# Altium PCB HSADDAModule.PcbDoc (part 3 of 5)
Units mm, origin at the board's own origin, x right, y up, seen from the top; angles counter-clockwise.
Board outline 70 x 95 mm, 6 copper layers (L1 (Sig), L2 (GND), L3 (Sig), L4 (GND), L5 (PWR), L6 (Sig)), stack 1.538 mm thick; 134 components, 217 nets, 999 pads, 792 vias.
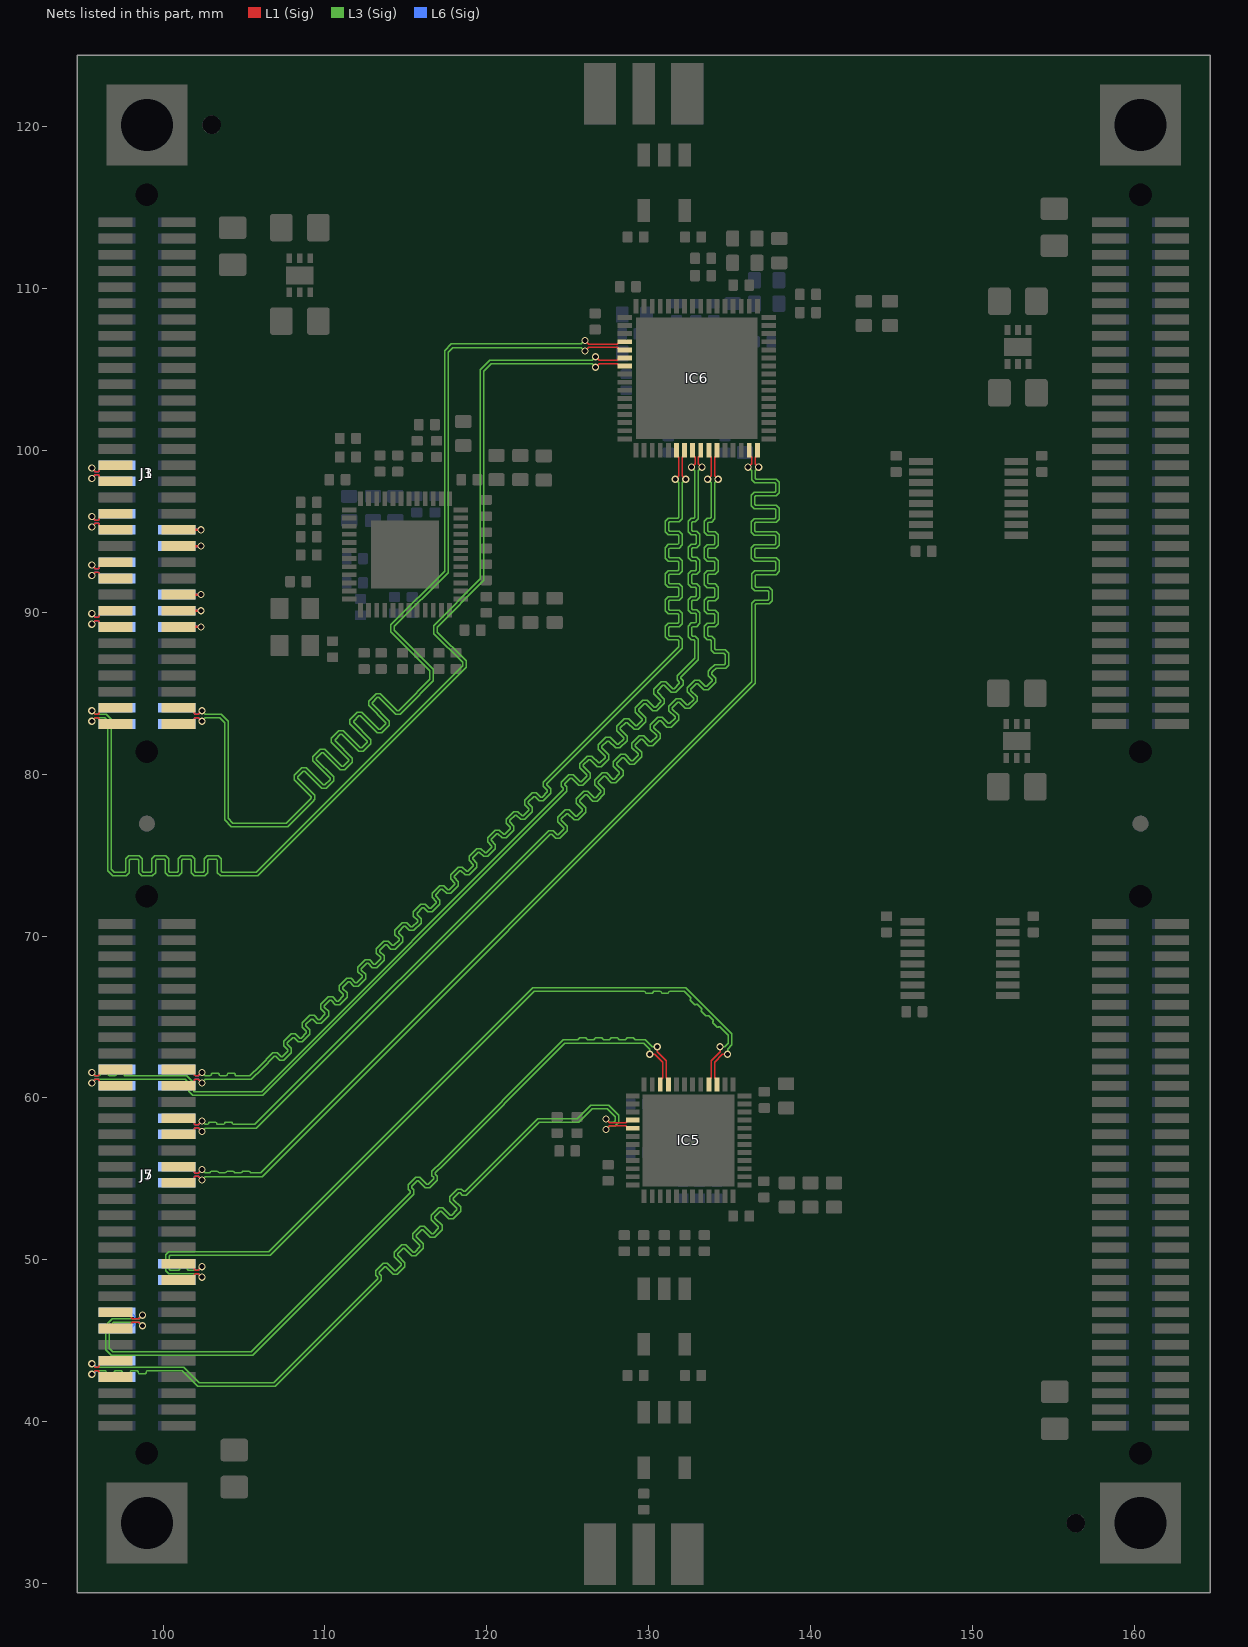
[diagram p7: the nets of this part, all layers, seen from the top]

## Via types
v1: diameter 0.45, hole 0.3, L1 (Sig) to L6 (Sig), tented both sides, 395 vias
v2: diameter 0.5, hole 0.3, L1 (Sig) to L6 (Sig), tented both sides, 219 vias
v3: diameter 0.8, hole 0.4, L1 (Sig) to L6 (Sig), tented both sides, 178 vias

## Nets (pads, with @x,y where several pads share a name; then routed paths per layer and width w, separated by ;. In a path a pad name is that pad's centre, name@x,y a point inside that pad or via, vN(x,y) a via of type N, cw(c..) or ccw(c..) an arc to the next point about the centre after c; other vN are vias at no path point) (continued)
B34_IO_L17_N: IC6.23 J5.21 J7.21 | length 77.9
  L1 (Sig) w0.09: J7.21@100.95,60.75 101.687,60.75 101.942,61.005 101.942,61.092 101.995,61.145 102.18,61.145 v1(102.4,60.925) ; IC6.23@132.225,100.025 132.225,99.725 132.08,99.58 132.08,99.143 132.08,98.445 v1(132.3,98.225)
  L3 (Sig) w0.09: v1(102.4,60.925) 102.405,60.925 102.62,61.14 105.44,61.14 106.115,61.815 106.874,62.574 106.957,62.574 107.205,62.326 107.471,62.326 107.933,62.789 107.933,63.054 107.675,63.312 107.675,63.396 108.009,63.729 108.093,63.729 108.35,63.472 108.616,63.472 109.079,63.934 109.079,64.2 108.821,64.458 108.821,64.541 109.155,64.875 109.238,64.875 109.496,64.617 109.762,64.617 110.224,65.08 110.224,65.345 109.966,65.603 109.966,65.687 110.3,66.02 110.384,66.02 110.641,65.763 110.907,65.763 111.37,66.225 111.37,66.491 111.112,66.749 111.112,66.832 111.446,67.166 111.529,67.166 111.787,66.908 112.053,66.908 112.515,67.371 112.515,67.636 112.257,67.894 112.257,67.978 112.591,68.311 112.675,68.311 112.932,68.054 113.198,68.054 113.661,68.516 113.661,68.782 113.403,69.04 113.403,69.123 113.737,69.457 113.82,69.457 114.078,69.199 114.344,69.199 114.806,69.662 114.806,69.927 114.548,70.185 114.548,70.269 114.882,70.602 114.966,70.602 115.223,70.345 115.489,70.345 115.952,70.807 115.952,71.073 115.694,71.331 115.694,71.414 116.028,71.748 116.111,71.748 116.369,71.49 116.635,71.49 117.097,71.953 117.097,72.218 116.839,72.476 116.839,72.56 117.173,72.893 117.257,72.893 117.514,72.636 117.78,72.636 118.243,73.098 118.243,73.364 117.985,73.622 117.985,73.705 118.319,74.039 118.402,74.039 118.66,73.781 118.926,73.781 119.388,74.244 119.388,74.509 119.13,74.767 119.13,74.851 119.464,75.184 119.548,75.184 119.805,74.927 120.071,74.927 120.534,75.389 120.534,75.655 120.276,75.913 120.276,75.996 120.61,76.33 120.693,76.33 120.951,76.072 121.217,76.072 121.679,76.535 121.679,76.8 121.421,77.058 121.421,77.142 121.755,77.475 121.839,77.475 122.096,77.218 122.362,77.218 122.825,77.68 122.825,77.946 122.567,78.204 122.567,78.287 122.901,78.621 122.984,78.621 123.242,78.363 123.508,78.363 123.97,78.826 123.97,79.091 123.723,79.339 123.723,79.423 123.8,79.5 132.085,87.785 132.085,87.987 132.085,88.34 131.897,88.528 131.296,88.528 131.237,88.587 131.237,89.059 131.296,89.118 131.899,89.118 132.087,89.306 132.087,89.96 131.899,90.148 131.296,90.148 131.237,90.207 131.237,90.679 131.296,90.738 131.899,90.738 132.087,90.926 132.087,91.58 131.899,91.768 131.296,91.768 131.237,91.827 131.237,92.299 131.296,92.358 131.899,92.358 132.087,92.546 132.087,93.2 131.899,93.388 131.296,93.388 131.237,93.447 131.237,93.919 131.296,93.978 131.899,93.978 132.087,94.166 132.087,94.82 131.899,95.008 131.296,95.008 131.237,95.067 131.237,95.539 131.296,95.598 131.897,95.598 132.085,95.786 132.085,96.796 132.085,98.005 132.3,98.22 v1(132.3,98.225)
  L6 (Sig) w0.09: J5.21@100.85,60.75 101.687,60.75 101.942,61.005 101.942,61.092 101.995,61.145 102.18,61.145 v1(102.4,60.925)
B34_IO_L17_P: IC6.22 J5.19 J7.19 | length 77.9
  L1 (Sig) w0.09: J7.19@100.95,61.75 101.687,61.75 101.942,61.495 101.942,61.408 101.995,61.355 102.18,61.355 v1(102.4,61.575) ; v1(131.65,98.225) 131.87,98.445 131.87,99.23 131.87,99.58 131.725,99.725 IC6.22@131.725,100.025
  L3 (Sig) w0.09: v1(102.4,61.575) 102.405,61.575 102.62,61.36 102.883,61.36 102.928,61.36 102.981,61.413 102.981,61.462 103.03,61.511 103.422,61.511 103.471,61.462 103.471,61.409 103.52,61.36 103.912,61.36 103.961,61.409 103.961,61.462 104.01,61.511 104.402,61.511 104.451,61.462 104.451,61.413 104.503,61.36 105.263,61.36 105.349,61.36 105.96,61.971 106.783,62.794 107.048,62.794 107.296,62.546 107.379,62.546 107.713,62.88 107.713,62.963 107.455,63.221 107.455,63.487 107.918,63.949 108.184,63.949 108.442,63.692 108.525,63.692 108.859,64.025 108.859,64.109 108.601,64.367 108.601,64.632 109.064,65.095 109.329,65.095 109.587,64.837 109.67,64.837 110.004,65.171 110.004,65.254 109.746,65.512 109.746,65.778 110.209,66.24 110.475,66.24 110.733,65.983 110.816,65.983 111.15,66.316 111.15,66.4 110.892,66.658 110.892,66.923 111.355,67.386 111.62,67.386 111.878,67.128 111.961,67.128 112.295,67.462 112.295,67.545 112.037,67.803 112.037,68.069 112.5,68.531 112.766,68.531 113.024,68.274 113.107,68.274 113.441,68.607 113.441,68.691 113.183,68.949 113.183,69.214 113.646,69.677 113.911,69.677 114.169,69.419 114.252,69.419 114.586,69.753 114.586,69.836 114.328,70.094 114.328,70.36 114.791,70.822 115.057,70.822 115.315,70.565 115.398,70.565 115.732,70.898 115.732,70.982 115.474,71.24 115.474,71.505 115.937,71.968 116.202,71.968 116.46,71.71 116.544,71.71 116.877,72.044 116.877,72.127 116.619,72.385 116.619,72.651 117.082,73.113 117.348,73.113 117.606,72.856 117.689,72.856 118.023,73.189 118.023,73.273 117.765,73.531 117.765,73.796 118.228,74.259 118.493,74.259 118.751,74.001 118.835,74.001 119.168,74.335 119.168,74.418 118.91,74.676 118.91,74.942 119.373,75.404 119.639,75.404 119.897,75.147 119.98,75.147 120.314,75.48 120.314,75.564 120.056,75.822 120.056,76.087 120.519,76.55 120.784,76.55 121.042,76.292 121.126,76.292 121.459,76.626 121.459,76.709 121.201,76.967 121.201,77.233 121.664,77.695 121.93,77.695 122.188,77.438 122.271,77.438 122.605,77.771 122.605,77.855 122.347,78.113 122.347,78.378 122.81,78.841 123.075,78.841 123.333,78.583 123.417,78.583 123.75,78.917 123.75,79 123.503,79.248 123.503,79.514 123.644,79.656 131.865,87.876 131.865,87.987 131.865,88.249 131.806,88.308 131.205,88.308 131.017,88.496 131.017,89.15 131.205,89.338 131.808,89.338 131.867,89.397 131.867,89.869 131.808,89.928 131.205,89.928 131.017,90.116 131.017,90.77 131.205,90.958 131.808,90.958 131.867,91.017 131.867,91.489 131.808,91.548 131.205,91.548 131.017,91.736 131.017,92.39 131.205,92.578 131.808,92.578 131.867,92.637 131.867,93.109 131.808,93.168 131.205,93.168 131.017,93.356 131.017,94.01 131.205,94.198 131.808,94.198 131.867,94.257 131.867,94.729 131.808,94.788 131.205,94.788 131.017,94.976 131.017,95.63 131.205,95.818 131.806,95.818 131.865,95.877 131.865,96.796 131.865,98.005 131.65,98.22 v1(131.65,98.225)
  L6 (Sig) w0.09: J5.19@100.85,61.75 101.687,61.75 101.942,61.495 101.942,61.408 101.995,61.355 102.18,61.355 v1(102.4,61.575)
B34_IO_L18_N: IC6.27 J5.27 J7.27 | length 77.9
  L1 (Sig) w0.09: J7.27@100.95,57.75 101.687,57.75 101.942,58.005 101.942,58.092 101.995,58.145 102.18,58.145 v1(102.4,57.925) ; IC6.27@134.225,100.025 134.225,99.725 134.08,99.58 134.08,99.143 134.08,98.445 v1(134.3,98.225)
  L3 (Sig) w0.09: v1(102.4,57.925) 102.405,57.925 102.62,58.14 105.765,58.14 123.711,76.086 123.922,76.297 124.005,76.297 124.258,76.044 124.523,76.044 124.986,76.507 124.986,76.773 124.603,77.155 124.603,77.239 124.937,77.572 125.021,77.572 125.403,77.19 125.669,77.19 126.131,77.653 126.131,77.918 125.749,78.301 125.749,78.384 126.083,78.718 126.166,78.718 126.549,78.335 126.814,78.335 127.277,78.798 127.277,79.064 126.895,79.446 126.895,79.53 127.228,79.863 127.312,79.863 127.694,79.481 127.96,79.481 128.422,79.944 128.422,80.209 128.04,80.592 128.04,80.675 128.374,81.009 128.457,81.009 128.84,80.626 129.105,80.626 129.568,81.089 129.568,81.355 129.186,81.737 129.186,81.821 129.519,82.154 129.603,82.154 129.985,81.772 130.251,81.772 130.713,82.235 130.713,82.5 130.331,82.883 130.331,82.966 130.665,83.3 130.748,83.3 131.131,82.917 131.396,82.917 131.859,83.38 131.859,83.646 131.477,84.028 131.477,84.112 131.81,84.445 131.894,84.445 132.276,84.063 132.542,84.063 133.004,84.526 133.004,84.791 132.622,85.174 132.622,85.257 132.956,85.591 133.039,85.591 133.422,85.209 133.687,85.209 134.15,85.671 134.15,85.937 133.898,86.189 133.898,86.273 133.975,86.35 134.18,86.555 134.768,86.555 134.95,86.737 134.95,87.475 134.725,87.7 134.138,87.7 134.085,87.753 134.085,88.068 134.085,88.328 133.897,88.516 133.73,88.516 133.671,88.575 133.671,89.047 133.73,89.106 134.109,89.106 134.297,89.293 134.297,89.948 134.109,90.136 133.73,90.136 133.671,90.195 133.671,90.667 133.73,90.726 134.109,90.726 134.297,90.913 134.297,91.568 134.109,91.756 133.73,91.756 133.671,91.815 133.671,92.287 133.73,92.346 134.109,92.346 134.297,92.533 134.297,93.188 134.109,93.376 133.73,93.376 133.671,93.435 133.671,93.907 133.73,93.966 134.109,93.966 134.297,94.153 134.297,94.808 134.109,94.996 133.73,94.996 133.671,95.055 133.671,95.527 133.73,95.586 133.897,95.586 134.085,95.773 134.085,96.784 134.085,98.005 134.3,98.22 v1(134.3,98.225)
  L6 (Sig) w0.09: J5.27@100.85,57.75 101.687,57.75 101.942,58.005 101.942,58.092 101.995,58.145 102.18,58.145 v1(102.4,57.925)
B34_IO_L18_P: IC6.26 J5.25 J7.25 | length 77.9
  L1 (Sig) w0.09: J7.25@100.95,58.75 101.687,58.75 101.942,58.495 101.942,58.408 101.995,58.355 102.18,58.355 v1(102.4,58.575) ; v1(133.65,98.225) 133.87,98.445 133.87,99.23 133.87,99.58 133.725,99.725 IC6.26@133.725,100.025
  L3 (Sig) w0.09: v1(102.4,58.575) 102.405,58.575 102.62,58.36 102.72,58.36 102.765,58.36 102.818,58.413 102.818,58.457 102.867,58.506 103.259,58.506 103.308,58.457 103.308,58.409 103.357,58.36 103.749,58.36 103.798,58.409 103.798,58.457 103.847,58.506 104.239,58.506 104.288,58.457 104.288,58.413 104.341,58.36 104.969,58.36 105.674,58.36 123.555,76.241 123.831,76.517 124.096,76.517 124.349,76.264 124.432,76.264 124.766,76.598 124.766,76.682 124.384,77.064 124.384,77.33 124.846,77.792 125.112,77.792 125.494,77.41 125.578,77.41 125.911,77.744 125.911,77.827 125.529,78.21 125.529,78.475 125.992,78.938 126.257,78.938 126.64,78.555 126.723,78.555 127.057,78.889 127.057,78.973 126.675,79.355 126.675,79.621 127.137,80.083 127.403,80.083 127.785,79.701 127.869,79.701 128.202,80.035 128.202,80.118 127.82,80.501 127.82,80.766 128.283,81.229 128.548,81.229 128.931,80.846 129.014,80.846 129.348,81.18 129.348,81.264 128.966,81.646 128.966,81.912 129.428,82.374 129.694,82.374 130.076,81.992 130.16,81.992 130.493,82.326 130.493,82.409 130.111,82.792 130.111,83.057 130.574,83.52 130.839,83.52 131.222,83.137 131.305,83.137 131.639,83.471 131.639,83.555 131.257,83.937 131.257,84.203 131.719,84.665 131.985,84.665 132.367,84.283 132.451,84.283 132.784,84.617 132.784,84.7 132.402,85.083 132.402,85.348 132.865,85.811 133.13,85.811 133.513,85.429 133.596,85.429 133.93,85.762 133.93,85.846 133.678,86.098 133.678,86.364 133.819,86.506 134.089,86.775 134.677,86.775 134.73,86.828 134.73,87.384 134.634,87.48 134.047,87.48 133.865,87.662 133.865,88.068 133.865,88.237 133.806,88.296 133.639,88.296 133.451,88.483 133.451,89.138 133.639,89.326 134.018,89.326 134.077,89.385 134.077,89.857 134.018,89.916 133.639,89.916 133.451,90.103 133.451,90.758 133.639,90.946 134.018,90.946 134.077,91.005 134.077,91.477 134.018,91.536 133.639,91.536 133.451,91.723 133.451,92.378 133.639,92.566 134.018,92.566 134.077,92.625 134.077,93.097 134.018,93.156 133.639,93.156 133.451,93.343 133.451,93.998 133.639,94.186 134.018,94.186 134.077,94.245 134.077,94.717 134.018,94.776 133.639,94.776 133.451,94.963 133.451,95.618 133.639,95.806 133.806,95.806 133.865,95.865 133.865,96.784 133.865,98.005 133.65,98.22 v1(133.65,98.225)
  L6 (Sig) w0.09: J5.25@100.85,58.75 101.687,58.75 101.942,58.495 101.942,58.408 101.995,58.355 102.18,58.355 v1(102.4,58.575)
B34_IO_L19_N: IC5.4 J5.58 J7.58 | length 53.7
  L1 (Sig) w0.09: v1(95.6,42.925) 95.82,43.145 96.005,43.145 96.058,43.092 96.058,43.005 96.313,42.75 J7.58@97.05,42.75 ; v1(127.375,58.7) 127.595,58.48 128.605,58.48 128.75,58.625 IC5.4@129.025,58.625
  L3 (Sig) w0.09: v1(95.6,42.925) 95.605,42.925 95.82,43.14 95.91,43.14 96.445,43.14 96.498,43.087 96.498,43.012 96.547,42.963 96.939,42.963 96.988,43.012 96.988,43.091 97.037,43.14 97.429,43.14 97.478,43.091 97.478,43.012 97.527,42.963 97.919,42.963 97.968,43.012 97.968,43.091 98.017,43.14 98.409,43.14 98.458,43.091 98.458,43.012 98.507,42.963 98.899,42.963 98.948,43.012 98.948,43.087 99,43.14 99.153,43.14 101.174,43.14 102.139,42.175 106.925,42.175 113.342,48.592 113.484,48.734 113.484,49 113.35,49.134 113.35,49.218 113.683,49.552 113.767,49.552 114.217,49.101 114.483,49.101 114.946,49.564 114.946,49.83 114.495,50.28 114.495,50.363 114.829,50.697 114.912,50.697 115.363,50.247 115.629,50.247 116.091,50.709 116.091,50.975 115.641,51.425 115.641,51.509 115.974,51.843 116.058,51.843 116.508,51.392 116.774,51.392 117.237,51.855 117.237,52.121 116.786,52.571 116.786,52.654 117.12,52.988 117.203,52.988 117.654,52.538 117.92,52.538 118.382,53 118.382,53.266 117.932,53.716 117.932,53.8 118.266,54.134 118.349,54.134 118.483,53.999 118.749,53.999 119.037,54.287 123.255,58.505 125.691,58.505 126.516,59.33 127.445,59.33 127.95,58.825 127.95,58.585 127.85,58.485 127.595,58.485 127.38,58.7 v1(127.375,58.7)
  L6 (Sig) w0.09: v1(95.6,42.925) 95.655,42.925 95.875,43.145 96.005,43.145 96.058,43.092 96.058,43.005 96.313,42.75 J5.58@97.15,42.75
B34_IO_L19_P: IC5.5 J5.56 J7.56 | length 53.7
  L1 (Sig) w0.09: v1(95.6,43.575) 95.82,43.355 96.005,43.355 96.058,43.408 96.058,43.495 96.313,43.75 J7.56@97.05,43.75 ; v1(127.375,58.05) 127.595,58.27 128.605,58.27 128.75,58.125 IC5.5@129.025,58.125
  L3 (Sig) w0.09: v1(95.6,43.575) 95.605,43.575 95.82,43.36 101.265,43.36 102.23,42.395 106.834,42.395 113.187,48.748 113.264,48.825 113.264,48.909 113.13,49.043 113.13,49.309 113.592,49.772 113.858,49.772 114.308,49.321 114.392,49.321 114.726,49.655 114.726,49.738 114.275,50.189 114.275,50.455 114.738,50.917 115.004,50.917 115.454,50.467 115.537,50.467 115.871,50.8 115.871,50.884 115.421,51.334 115.421,51.6 115.883,52.063 116.149,52.063 116.6,51.612 116.683,51.612 117.017,51.946 117.017,52.029 116.566,52.48 116.566,52.746 117.029,53.208 117.295,53.208 117.745,52.758 117.828,52.758 118.162,53.091 118.162,53.175 117.712,53.625 117.712,53.891 118.174,54.354 118.44,54.354 118.575,54.219 118.658,54.219 118.882,54.443 123.164,58.725 125.6,58.725 126.425,59.55 127.536,59.55 128.17,58.916 128.17,58.494 127.941,58.265 127.595,58.265 127.38,58.05 v1(127.375,58.05)
  L6 (Sig) w0.09: v1(95.6,43.575) 95.655,43.575 95.875,43.355 96.005,43.355 96.058,43.408 96.058,43.495 96.313,43.75 J5.56@97.15,43.75
B34_IO_L20_N: IC6.32 J5.33 J7.33 | length 77.8
  L1 (Sig) w0.09: J7.33@100.95,54.75 101.687,54.75 101.942,55.005 101.942,55.092 101.995,55.145 102.18,55.145 v1(102.4,54.925) ; IC6.32@136.725,100.025 136.725,99.725 136.58,99.58 136.58,99.195 v1(136.8,98.975)
  L3 (Sig) w0.09: v1(102.4,54.925) 102.405,54.925 102.62,55.14 106.115,55.14 136.585,85.61 136.585,89.45 136.585,90.468 136.644,90.527 137.457,90.527 137.645,90.714 137.645,91.369 137.457,91.557 136.644,91.557 136.585,91.616 136.585,91.725 136.585,92.026 136.585,92.283 136.644,92.342 137.877,92.342 138.065,92.529 138.065,93.184 137.877,93.372 136.623,93.372 136.564,93.431 136.564,93.903 136.623,93.962 137.877,93.962 138.065,94.149 138.065,94.804 137.877,94.992 136.623,94.992 136.564,95.051 136.564,95.523 136.623,95.582 137.877,95.582 138.065,95.769 138.065,96.424 137.877,96.612 136.623,96.612 136.564,96.671 136.564,97.143 136.623,97.202 137.877,97.202 138.065,97.389 138.065,98.044 137.877,98.232 136.644,98.232 136.585,98.291 136.585,98.4 136.585,98.755 136.8,98.97 v1(136.8,98.975)
  L6 (Sig) w0.09: J5.33@100.85,54.75 101.687,54.75 101.942,55.005 101.942,55.092 101.995,55.145 102.18,55.145 v1(102.4,54.925)
B34_IO_L20_P: IC6.31 J5.31 J7.31 | length 77.8
  L1 (Sig) w0.09: J7.31@100.95,55.75 101.687,55.75 101.942,55.495 101.942,55.408 101.995,55.355 102.18,55.355 v1(102.4,55.575) ; v1(136.15,98.975) 136.37,99.195 136.37,99.58 136.225,99.725 IC6.31@136.225,100.025
  L3 (Sig) w0.09: v1(102.4,55.575) 102.405,55.575 102.62,55.36 102.825,55.36 102.87,55.36 102.923,55.413 102.923,55.43 102.972,55.479 103.364,55.479 103.413,55.43 103.413,55.409 103.462,55.36 103.854,55.36 103.903,55.409 103.903,55.43 103.952,55.479 104.344,55.479 104.393,55.43 104.393,55.409 104.442,55.36 104.834,55.36 104.883,55.409 104.883,55.43 104.932,55.479 105.324,55.479 105.373,55.43 105.373,55.413 105.425,55.36 105.607,55.36 106.024,55.36 136.365,85.701 136.365,89.45 136.365,90.559 136.553,90.747 137.366,90.747 137.425,90.806 137.425,91.278 137.366,91.337 136.553,91.337 136.365,91.524 136.365,91.725 136.365,92.026 136.365,92.374 136.553,92.562 137.786,92.562 137.845,92.621 137.845,93.093 137.786,93.152 136.531,93.152 136.344,93.339 136.344,93.994 136.531,94.182 137.786,94.182 137.845,94.241 137.845,94.713 137.786,94.772 136.531,94.772 136.344,94.959 136.344,95.614 136.531,95.802 137.786,95.802 137.845,95.861 137.845,96.333 137.786,96.392 136.531,96.392 136.344,96.579 136.344,97.234 136.531,97.422 137.786,97.422 137.845,97.481 137.845,97.953 137.786,98.012 136.553,98.012 136.365,98.199 136.365,98.4 136.365,98.755 136.15,98.97 v1(136.15,98.975)
  L6 (Sig) w0.09: J5.31@100.85,55.75 101.687,55.75 101.942,55.495 101.942,55.408 101.995,55.355 102.18,55.355 v1(102.4,55.575)
B34_IO_L22_N: IC5.45 J5.52 J7.52 | length 53.8
  L1 (Sig) w0.09: J7.52@97.05,45.75 97.787,45.75 98.042,46.005 98.042,46.092 98.095,46.145 98.505,46.145 v1(98.725,45.925) ; v1(130.535,63.16) 130.535,62.848 131.08,62.303 131.08,61.245 131.225,61.1 IC5.45@131.225,60.825
  L3 (Sig) w0.09: v1(98.725,45.925) 98.72,45.925 98.505,46.14 96.951,46.14 96.675,45.864 96.675,44.536 96.886,44.325 105.464,44.325 115.202,54.063 115.28,54.141 115.28,54.224 115.144,54.36 115.144,54.626 115.607,55.088 115.872,55.088 116.295,54.665 116.379,54.665 116.712,54.999 116.712,55.083 116.6,55.195 116.6,55.461 117.178,56.039 124.731,63.592 125.314,63.592 125.359,63.592 125.632,63.592 125.685,63.645 125.685,63.654 125.734,63.703 126.126,63.703 126.175,63.654 126.175,63.644 126.224,63.595 126.616,63.595 126.665,63.644 126.665,63.654 126.714,63.703 127.106,63.703 127.155,63.654 127.155,63.644 127.204,63.595 127.596,63.595 127.645,63.644 127.645,63.654 127.694,63.703 128.086,63.703 128.135,63.654 128.135,63.644 128.184,63.595 128.576,63.595 128.625,63.644 128.625,63.654 128.674,63.703 129.066,63.703 129.115,63.654 129.115,63.647 129.167,63.595 129.657,63.595 129.702,63.595 129.795,63.595 130.227,63.163 130.531,63.163 v1(130.535,63.16)
  L6 (Sig) w0.09: J5.52@97.15,45.75 97.987,45.75 98.242,46.005 98.242,46.092 98.295,46.145 98.505,46.145 v1(98.725,45.925)
B34_IO_L22_P: IC5.46 J5.50 J7.50 | length 53.8
  L1 (Sig) w0.09: J7.50@97.05,46.75 97.787,46.75 98.042,46.495 98.042,46.408 98.095,46.355 98.505,46.355 v1(98.725,46.575) ; v1(130.075,62.7) 130.386,62.7 130.87,62.216 130.87,61.245 130.725,61.1 IC5.46@130.725,60.825
  L3 (Sig) w0.09: v1(98.725,46.575) 98.72,46.575 98.505,46.36 96.86,46.36 96.455,45.955 96.455,44.445 96.795,44.105 105.555,44.105 115.358,53.908 115.5,54.05 115.5,54.315 115.364,54.451 115.364,54.535 115.698,54.868 115.781,54.868 116.204,54.445 116.47,54.445 116.932,54.908 116.932,55.174 116.82,55.286 116.82,55.37 117.334,55.884 124.825,63.375 129.704,63.375 130.072,63.007 130.072,62.703 v1(130.075,62.7)
  L6 (Sig) w0.09: J5.50@97.15,46.75 97.987,46.75 98.242,46.495 98.242,46.408 98.295,46.355 98.505,46.355 v1(98.725,46.575)
B34_IO_L23_N: IC6.25 J5.22 J7.22 | length 77.8
  L1 (Sig) w0.09: v1(95.6,60.925) 95.82,61.145 96.005,61.145 96.058,61.092 96.058,61.005 96.313,60.75 J7.22@97.05,60.75 ; IC6.25@133.225,100.025 133.225,99.725 133.08,99.58 133.08,99.195 v1(133.3,98.975)
  L3 (Sig) w0.09: v1(95.6,60.925) 95.605,60.925 95.82,61.14 101.36,61.14 101.6,60.9 101.6,60.409 101.834,60.175 102.039,60.175 106.175,60.175 124.81,78.81 124.952,78.952 124.952,79.217 124.826,79.343 124.826,79.426 125.16,79.76 125.244,79.76 125.673,79.331 125.939,79.331 126.401,79.793 126.401,80.059 125.972,80.488 125.972,80.572 126.306,80.905 126.389,80.905 126.819,80.476 127.084,80.476 127.547,80.939 127.547,81.204 127.117,81.634 127.117,81.717 127.451,82.051 127.535,82.051 127.964,81.622 128.23,81.622 128.692,82.084 128.692,82.35 128.263,82.779 128.263,82.863 128.597,83.197 128.68,83.197 129.11,82.767 129.375,82.767 129.838,83.23 129.838,83.495 129.409,83.925 129.409,84.008 129.742,84.342 129.826,84.342 130.255,83.913 130.521,83.913 130.983,84.375 130.983,84.641 130.554,85.07 130.554,85.154 130.888,85.488 130.971,85.488 131.401,85.058 131.666,85.058 132.129,85.521 132.129,85.786 131.999,85.916 131.999,85.999 132.436,86.436 133.085,87.085 133.085,87.505 133.085,88.349 132.897,88.537 132.73,88.537 132.671,88.596 132.671,89.068 132.73,89.127 132.97,89.127 133.158,89.314 133.158,89.969 132.97,90.157 132.73,90.157 132.671,90.216 132.671,90.688 132.73,90.747 132.97,90.747 133.158,90.934 133.158,91.589 132.97,91.777 132.73,91.777 132.671,91.836 132.671,92.308 132.73,92.367 132.97,92.367 133.158,92.554 133.158,93.209 132.97,93.397 132.73,93.397 132.671,93.456 132.671,93.928 132.73,93.987 132.97,93.987 133.158,94.174 133.158,94.829 132.97,95.017 132.73,95.017 132.671,95.076 132.671,95.548 132.73,95.607 132.897,95.607 133.085,95.794 133.085,98.425 133.085,98.755 133.3,98.97 v1(133.3,98.975)
  L6 (Sig) w0.09: v1(95.6,60.925) 95.605,60.925 95.825,61.145 96.005,61.145 96.058,61.092 96.058,61.005 96.313,60.75 J5.22@97.15,60.75
B34_IO_L23_P: IC6.24 J5.20 J7.20 | length 77.8
  L1 (Sig) w0.09: v1(95.6,61.575) 95.82,61.355 96.005,61.355 96.058,61.408 96.058,61.495 96.313,61.75 J7.20@97.05,61.75 ; v1(132.65,98.975) 132.87,99.195 132.87,99.58 132.725,99.725 IC6.24@132.725,100.025
  L3 (Sig) w0.09: v1(95.6,61.575) 95.605,61.575 95.82,61.36 96.025,61.36 96.07,61.36 96.123,61.413 96.123,61.457 96.172,61.506 96.564,61.506 96.613,61.457 96.613,61.409 96.662,61.36 97.054,61.36 97.103,61.409 97.103,61.457 97.152,61.506 97.544,61.506 97.593,61.457 97.593,61.413 97.645,61.36 97.959,61.36 101.451,61.36 101.82,60.991 101.82,60.5 101.925,60.395 106.084,60.395 124.654,78.966 124.732,79.043 124.732,79.126 124.606,79.252 124.606,79.517 125.069,79.98 125.335,79.98 125.764,79.551 125.848,79.551 126.181,79.884 126.181,79.968 125.752,80.397 125.752,80.663 126.215,81.125 126.48,81.125 126.91,80.696 126.993,80.696 127.327,81.03 127.327,81.113 126.897,81.543 126.897,81.808 127.36,82.271 127.626,82.271 128.055,81.842 128.139,81.842 128.472,82.175 128.472,82.259 128.043,82.688 128.043,82.954 128.506,83.417 128.771,83.417 129.201,82.987 129.284,82.987 129.618,83.321 129.618,83.404 129.189,83.834 129.189,84.099 129.651,84.562 129.917,84.562 130.346,84.133 130.43,84.133 130.763,84.466 130.763,84.55 130.334,84.979 130.334,85.245 130.797,85.708 131.062,85.708 131.492,85.278 131.575,85.278 131.909,85.612 131.909,85.695 131.779,85.825 131.779,86.091 132.281,86.592 132.865,87.176 132.865,87.505 132.865,88.258 132.806,88.317 132.639,88.317 132.451,88.504 132.451,89.159 132.639,89.347 132.879,89.347 132.938,89.406 132.938,89.878 132.879,89.937 132.639,89.937 132.451,90.124 132.451,90.779 132.639,90.967 132.879,90.967 132.938,91.026 132.938,91.498 132.879,91.557 132.639,91.557 132.451,91.744 132.451,92.399 132.639,92.587 132.879,92.587 132.938,92.646 132.938,93.118 132.879,93.177 132.639,93.177 132.451,93.364 132.451,94.019 132.639,94.207 132.879,94.207 132.938,94.266 132.938,94.738 132.879,94.797 132.639,94.797 132.451,94.984 132.451,95.639 132.639,95.827 132.806,95.827 132.865,95.886 132.865,98.425 132.865,98.755 132.65,98.97 v1(132.65,98.975)
  L6 (Sig) w0.09: v1(95.6,61.575) 95.605,61.575 95.825,61.355 96.005,61.355 96.058,61.408 96.058,61.495 96.313,61.75 J5.20@97.15,61.75
B34_IO_L24_N: IC5.39 J5.45 J7.45 | length 53.8
  L1 (Sig) w0.09: J7.45@100.95,48.75 101.687,48.75 101.942,49.005 101.942,49.092 101.995,49.145 102.18,49.145 v1(102.4,48.925) ; IC5.39@134.225,60.825 134.225,61.1 134.08,61.245 134.08,62.216 134.564,62.7 v1(134.875,62.7)
  L3 (Sig) w0.09: v1(102.4,48.925) 102.395,48.925 102.18,49.14 100.357,49.14 100.175,49.322 100.175,50.318 100.357,50.5 106.539,50.5 122.859,66.82 132.291,66.82 135.148,63.963 135.148,63.277 134.878,63.007 134.878,62.703 v1(134.875,62.7)
  L6 (Sig) w0.09: J5.45@100.85,48.75 101.687,48.75 101.942,49.005 101.942,49.092 101.995,49.145 102.18,49.145 v1(102.4,48.925)
B34_IO_L24_P: IC5.40 J5.43 J7.43 | length 53.8
  L1 (Sig) w0.09: J7.43@100.95,49.75 101.687,49.75 101.942,49.495 101.942,49.408 101.995,49.355 102.18,49.355 v1(102.4,49.575) ; IC5.40@133.725,60.825 133.725,61.1 133.87,61.245 133.87,62.303 134.415,62.848 v1(134.415,63.16)
  L3 (Sig) w0.09: v1(102.4,49.575) 102.395,49.575 102.18,49.36 102.097,49.36 101.562,49.36 101.509,49.413 101.509,49.53 101.46,49.579 101.068,49.579 101.019,49.53 101.019,49.413 100.967,49.36 100.87,49.36 100.448,49.36 100.395,49.413 100.395,50.227 100.448,50.28 106.63,50.28 122.95,66.6 129.204,66.6 129.739,66.6 129.792,66.547 129.792,66.518 129.841,66.469 130.233,66.469 130.282,66.518 130.282,66.551 130.331,66.6 130.723,66.6 130.772,66.551 130.772,66.518 130.821,66.469 131.213,66.469 131.262,66.518 131.262,66.547 131.315,66.6 131.975,66.6 132.2,66.6 132.22,66.58 132.251,66.549 132.598,66.202 132.598,66.127 132.574,66.103 132.574,66.034 132.851,65.757 132.92,65.757 132.947,65.784 133.016,65.784 133.294,65.506 133.294,65.437 133.267,65.411 133.267,65.341 133.544,65.064 133.613,65.064 133.64,65.091 133.709,65.091 133.987,64.813 133.987,64.744 133.96,64.718 133.96,64.648 134.237,64.371 134.306,64.371 134.33,64.395 134.405,64.395 134.928,63.872 134.928,63.798 134.928,63.368 134.723,63.163 134.419,63.163 v1(134.415,63.16)
  L6 (Sig) w0.09: J5.43@100.85,49.75 101.687,49.75 101.942,49.495 101.942,49.408 101.995,49.355 102.18,49.355 v1(102.4,49.575)
B35_IO_L19_N: IC6.5 J1.63 J3.63 | length 78
  L1 (Sig) w0.09: J3.63@100.95,83.1 101.687,83.1 101.942,83.355 101.942,83.442 101.995,83.495 102.18,83.495 v1(102.4,83.275) ; v1(126.075,106.15) 126.295,106.37 127.318,106.37 128.08,106.37 128.225,106.225 IC6.5@128.525,106.225
  L3 (Sig) w0.09: v1(102.4,83.275) 102.405,83.275 102.62,83.49 103.499,83.49 103.8,83.189 103.8,77.175 104.22,76.755 107.691,76.755 109.243,78.307 109.385,78.449 109.385,78.714 108.334,79.765 108.334,79.848 108.668,80.182 108.752,80.182 109.813,79.121 110.079,79.121 110.541,79.583 110.541,79.849 109.48,80.91 109.48,80.994 109.814,81.328 109.897,81.328 110.959,80.266 111.224,80.266 111.687,80.729 111.687,80.994 110.625,82.056 110.625,82.139 110.959,82.473 111.043,82.473 112.104,81.412 112.37,81.412 112.832,81.874 112.832,82.14 111.771,83.201 111.771,83.285 112.105,83.619 112.188,83.619 113.25,82.557 113.515,82.557 113.978,83.02 113.978,83.285 112.916,84.347 112.916,84.43 113.25,84.764 113.334,84.764 114.384,83.714 114.65,83.714 115.056,84.119 116.7,85.764 116.7,86.479 114.295,88.884 114.295,89.134 117.625,92.464 117.625,106.089 117.901,106.365 125.855,106.365 126.07,106.15 v1(126.075,106.15)
  L6 (Sig) w0.09: J1.63@100.85,83.1 101.687,83.1 101.942,83.355 101.942,83.442 101.995,83.495 102.18,83.495 v1(102.4,83.275)
B35_IO_L19_P: IC6.4 J1.61 J3.61 | length 78
  L1 (Sig) w0.09: J3.61@100.95,84.1 101.687,84.1 101.942,83.845 101.942,83.758 101.995,83.705 102.18,83.705 v1(102.4,83.925) ; v1(126.075,106.8) 126.295,106.58 127.405,106.58 128.08,106.58 128.225,106.725 IC6.4@128.525,106.725
  L3 (Sig) w0.09: v1(102.4,83.925) 102.405,83.925 102.62,83.71 103.59,83.71 104.02,83.28 104.02,77.266 104.311,76.975 107.6,76.975 109.087,78.462 109.165,78.54 109.165,78.623 108.114,79.674 108.114,79.939 108.577,80.402 108.843,80.402 109.904,79.341 109.988,79.341 110.321,79.674 110.321,79.758 109.26,80.819 109.26,81.085 109.723,81.548 109.988,81.548 111.05,80.486 111.133,80.486 111.467,80.82 111.467,80.903 110.405,81.965 110.405,82.231 110.868,82.693 111.134,82.693 112.195,81.632 112.279,81.632 112.612,81.965 112.612,82.049 111.551,83.11 111.551,83.376 112.014,83.839 112.279,83.839 113.341,82.777 113.424,82.777 113.758,83.111 113.758,83.194 112.696,84.256 112.696,84.522 113.159,84.984 113.425,84.984 114.475,83.934 114.559,83.934 114.9,84.275 116.48,85.855 116.48,86.388 114.075,88.793 114.075,89.225 117.405,92.555 117.405,106.18 117.81,106.585 125.855,106.585 126.07,106.8 v1(126.075,106.8)
  L6 (Sig) w0.09: J1.61@100.85,84.1 101.687,84.1 101.942,83.845 101.942,83.758 101.995,83.705 102.18,83.705 v1(102.4,83.925)
B35_IO_L23_N: IC6.7 J1.64 J3.64 | length 77.9
  L1 (Sig) w0.09: v1(95.6,83.275) 95.82,83.495 96.005,83.495 96.058,83.442 96.058,83.355 96.313,83.1 J3.64@97.05,83.1 ; v1(126.725,105.15) 126.945,105.37 127.643,105.37 128.08,105.37 128.225,105.225 IC6.7@128.525,105.225
  L3 (Sig) w0.09: v1(95.6,83.275) 95.605,83.275 95.82,83.49 96.399,83.49 96.58,83.309 96.58,74.034 96.884,73.73 97.525,73.73 97.726,73.73 97.913,73.918 97.913,74.676 97.972,74.735 98.444,74.735 98.503,74.676 98.503,73.915 98.691,73.727 99.346,73.727 99.533,73.915 99.533,74.676 99.592,74.735 100.064,74.735 100.123,74.676 100.123,73.915 100.311,73.727 100.966,73.727 101.153,73.915 101.153,74.676 101.212,74.735 101.684,74.735 101.743,74.676 101.743,73.915 101.931,73.727 102.586,73.727 102.773,73.915 102.773,74.676 102.832,74.735 103.304,74.735 103.363,74.676 103.363,73.918 103.551,73.73 104.525,73.73 105.855,73.73 118.725,86.6 118.725,87 116.945,88.78 116.945,89.095 119.825,91.975 119.825,104.914 120.276,105.365 126.505,105.365 126.72,105.15 v1(126.725,105.15)
  L6 (Sig) w0.09: v1(95.6,83.275) 95.605,83.275 95.825,83.495 96.005,83.495 96.058,83.442 96.058,83.355 96.313,83.1 J1.64@97.15,83.1
B35_IO_L23_P: IC6.6 J1.62 J3.62 | length 77.9
  L1 (Sig) w0.09: v1(95.6,83.925) 95.82,83.705 96.005,83.705 96.058,83.758 96.058,83.845 96.313,84.1 J3.62@97.05,84.1 ; v1(126.725,105.8) 126.945,105.58 127.73,105.58 128.08,105.58 128.225,105.725 IC6.6@128.525,105.725
  L3 (Sig) w0.09: v1(95.6,83.925) 95.605,83.925 95.82,83.71 96.49,83.71 96.8,83.4 96.8,74.125 96.975,73.95 97.525,73.95 97.634,73.95 97.693,74.009 97.693,74.768 97.881,74.955 98.536,74.955 98.723,74.768 98.723,74.006 98.782,73.947 99.254,73.947 99.313,74.006 99.313,74.768 99.501,74.955 100.156,74.955 100.343,74.768 100.343,74.006 100.402,73.947 100.874,73.947 100.933,74.006 100.933,74.768 101.121,74.955 101.776,74.955 101.963,74.768 101.963,74.006 102.022,73.947 102.494,73.947 102.553,74.006 102.553,74.768 102.741,74.955 103.396,74.955 103.583,74.768 103.583,74.009 103.642,73.95 104.525,73.95 105.764,73.95 118.505,86.691 118.505,86.909 116.725,88.689 116.725,89.186 119.605,92.066 119.605,105.005 120.185,105.585 126.505,105.585 126.72,105.8 v1(126.725,105.8)
  L6 (Sig) w0.09: v1(95.6,83.925) 95.605,83.925 95.825,83.705 96.005,83.705 96.058,83.758 96.058,83.845 96.313,84.1 J1.62@97.15,84.1
BOOTMODE_0: J1.39 J3.39 | length 2.9
  L1 (Sig) w0.157: J3.39@100.95,95.1 v1(102.35,95.1)
  L6 (Sig) w0.157: J1.39@100.85,95.1 v1(102.35,95.1)
BOOTMODE_1: J1.41 J3.41 | length 2.9
  L1 (Sig) w0.157: J3.41@100.95,94.1 v1(102.35,94.1)
  L6 (Sig) w0.157: J1.41@100.85,94.1 v1(102.35,94.1)
ETH_LED0: J1.47 J3.47 | length 2.9
  L1 (Sig) w0.157: J3.47@100.95,91.1 v1(102.35,91.1)
  L6 (Sig) w0.157: J1.47@100.85,91.1 v1(102.35,91.1)
ETH_LED1: J1.49 J3.49 | length 2.9
  L1 (Sig) w0.157: J3.49@100.95,90.1 v1(102.35,90.1)
  L6 (Sig) w0.157: J1.49@100.85,90.1 v1(102.35,90.1)
ETH_LED2: J1.51 J3.51 | length 2.9
  L1 (Sig) w0.157: J3.51@100.95,89.1 v1(102.35,89.1)
  L6 (Sig) w0.157: J1.51@100.85,89.1 v1(102.35,89.1)
ETH_MDI0_N: J1.34 J3.34 | length 3.6
  L1 (Sig) w0.09: v1(95.6,98.275) 95.82,98.495 96.005,98.495 96.058,98.442 96.058,98.355 96.313,98.1 J3.34@97.05,98.1
  L6 (Sig) w0.09: v1(95.6,98.275) 95.82,98.495 96.005,98.495 96.058,98.442 96.058,98.355 96.313,98.1 J1.34@97.15,98.1
ETH_MDI0_P: J1.32 J3.32 | length 3.6
  L1 (Sig) w0.09: v1(95.6,98.925) 95.82,98.705 96.005,98.705 96.058,98.758 96.058,98.845 96.313,99.1 J3.32@97.05,99.1
  L6 (Sig) w0.09: v1(95.6,98.925) 95.82,98.705 96.005,98.705 96.058,98.758 96.058,98.845 96.313,99.1 J1.32@97.15,99.1
ETH_MDI1_N: J1.40 J3.40 | length 3.6
  L1 (Sig) w0.09: v1(95.6,95.275) 95.82,95.495 96.005,95.495 96.058,95.442 96.058,95.355 96.313,95.1 J3.40@97.05,95.1
  L6 (Sig) w0.09: v1(95.6,95.275) 95.605,95.275 95.825,95.495 96.005,95.495 96.058,95.442 96.058,95.355 96.313,95.1 J1.40@97.15,95.1
ETH_MDI1_P: J1.38 J3.38 | length 3.6
  L1 (Sig) w0.09: v1(95.6,95.925) 95.82,95.705 96.005,95.705 96.058,95.758 96.058,95.845 96.313,96.1 J3.38@97.05,96.1
  L6 (Sig) w0.09: v1(95.6,95.925) 95.605,95.925 95.825,95.705 96.005,95.705 96.058,95.758 96.058,95.845 96.313,96.1 J1.38@97.15,96.1
ETH_MDI2_N: J1.46 J3.46 | length 3.6
  L1 (Sig) w0.09: v1(95.6,92.275) 95.82,92.495 96.005,92.495 96.058,92.442 96.058,92.355 96.313,92.1 J3.46@97.05,92.1
  L6 (Sig) w0.09: v1(95.6,92.275) 95.605,92.275 95.825,92.495 96.005,92.495 96.058,92.442 96.058,92.355 96.313,92.1 J1.46@97.15,92.1
ETH_MDI2_P: J1.44 J3.44 | length 3.6
  L1 (Sig) w0.09: v1(95.6,92.925) 95.82,92.705 96.005,92.705 96.058,92.758 96.058,92.845 96.313,93.1 J3.44@97.05,93.1
  L6 (Sig) w0.09: v1(95.6,92.925) 95.605,92.925 95.825,92.705 96.005,92.705 96.058,92.758 96.058,92.845 96.313,93.1 J1.44@97.15,93.1
ETH_MDI3_N: J1.52 J3.52 | length 3.6
  L1 (Sig) w0.09: v1(95.6,89.275) 95.82,89.495 96.005,89.495 96.058,89.442 96.058,89.355 96.313,89.1 J3.52@97.05,89.1
  L6 (Sig) w0.09: v1(95.6,89.275) 95.82,89.495 96.005,89.495 96.058,89.442 96.058,89.355 96.313,89.1 J1.52@97.15,89.1
ETH_MDI3_P: J1.50 J3.50 | length 3.6
  L1 (Sig) w0.09: v1(95.6,89.925) 95.82,89.705 96.005,89.705 96.058,89.758 96.058,89.845 96.313,90.1 J3.50@97.05,90.1
  L6 (Sig) w0.09: v1(95.6,89.925) 95.82,89.705 96.005,89.705 96.058,89.758 96.058,89.845 96.313,90.1 J1.50@97.15,90.1